# Altium PCB Analog_Daughter_6U_MAX11331.PcbDoc (part 2 of 6)
Units mil, origin at the board's own origin, x right, y up, seen from the top; angles counter-clockwise.
Board outline 6811.02 x 3937.01 mil, 6 copper layers (Top Layer, GND, Signal 1, Signal 2, VCC, Bottom Layer), stack 32.112 mil thick; 520 components, 330 nets, 1678 pads, 526 vias.
Unrouted connection lines stored in the file: 277.
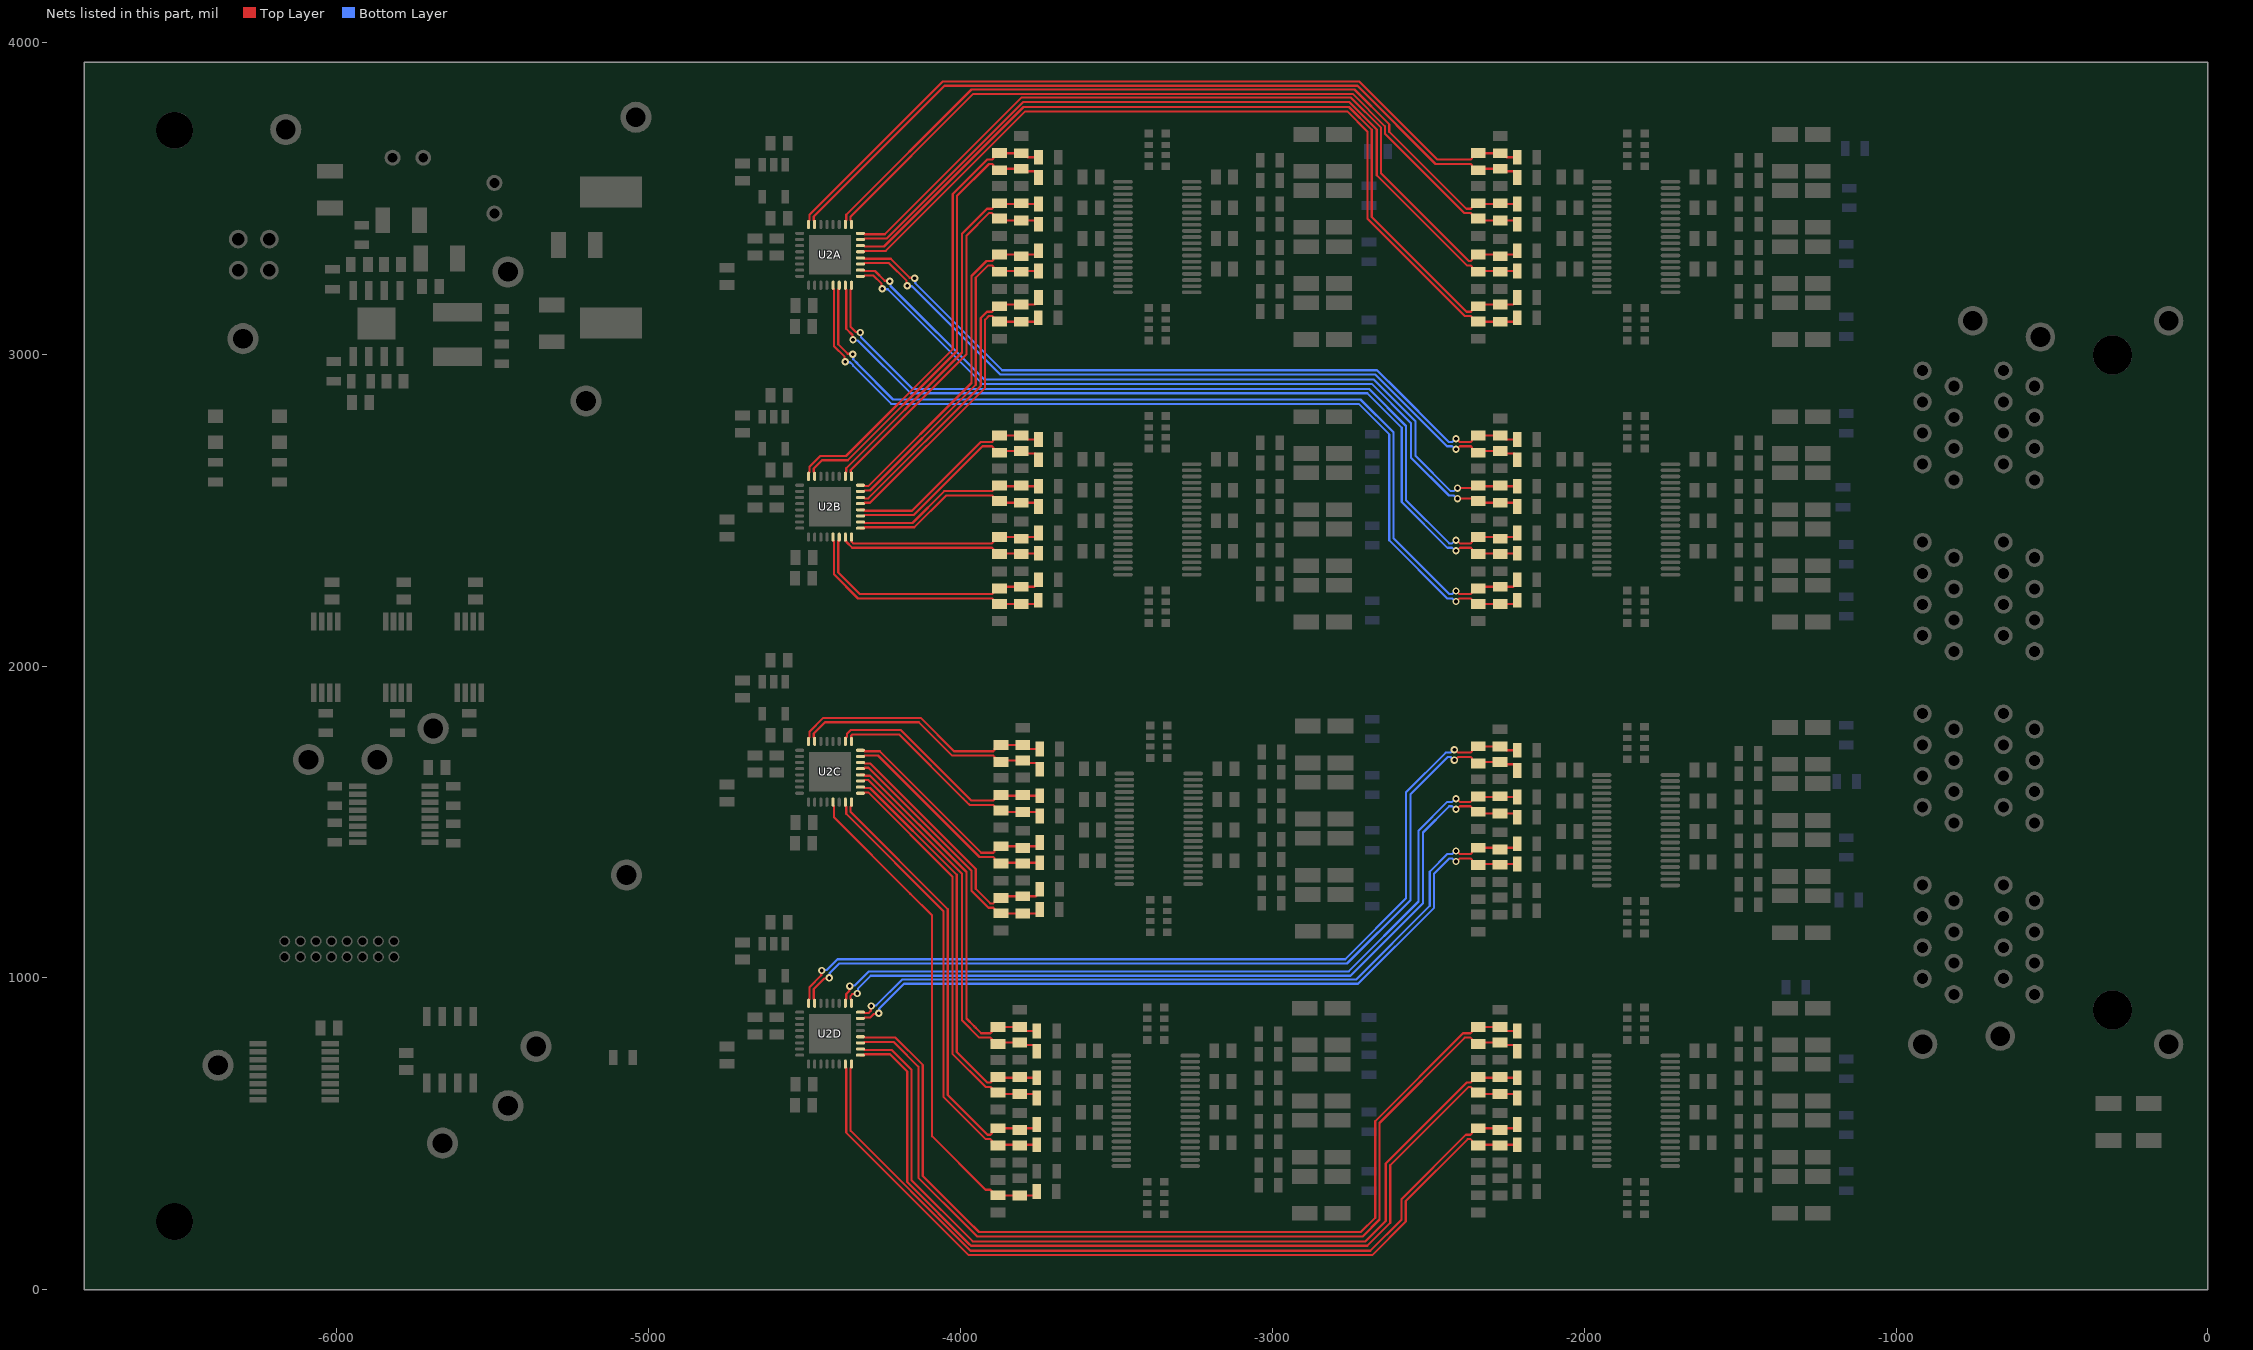
[diagram p6: the nets of this part, all layers, seen from the top]

## Components (designator, comment, footprint, x,y, rotation, side; value= is the part's Value field where it differs from the comment) (continued)
R23F "24.3k" RES_0603 -3044.41,820 r90 top (schematic designator R23)
R23G "24.3k" RES_0603 -1504.41,1720 r90 top (schematic designator R23)
R23H "24.3k" RES_0603 -1504.41,820 r90 top (schematic designator R23)
R24 "0R" RES_0603 -5051.42,745 r270 top
R25 "100R" RES_0603 -6007.57,1614.57 r0 top
R26 "100R" RES_0603 -6007.57,1434.57 r180 top
R27 "100R" RES_0603 -5627.57,1431.58 r180 top
R28 "10k" RES_0603 -6035.99,1848.86 r0 top
R29 "10k" RES_0603 -5805.99,1848.86 r0 top
R30 "10k" RES_0603 -5575.99,1848.86 r0 top
R31 "2.2M" RES_0603 -5920.24,3350.87 r180 top
R32 "200k" RES_0603 -5954.41,2913.86 r90 top
R33 "115k" RES_0603 -5471.42,3032.99 r0 top
R34 "10k" RES_0603 -6014.73,3272.13 r0 top
R35 "100k" RES_0603 -6010.79,2976.85 r0 top
R36 "330" RES_0603 -6184.65,2653.39 r0 top
R37 "100R" RES_0603 -5627.57,1614.57 r0 top
R38 "20k" RES_0603 -6389.69,2653.39 r0 top
R39A "0" RES_0603 -1160,3120 r180 bottom (schematic designator R39)
R39B "0" RES_0603 -1160,2222.99 r180 bottom (schematic designator R39)
R39C "0" RES_0603 -2690,3110 r180 bottom (schematic designator R39)
R39D "0" RES_0603 -2680,2210 r180 bottom (schematic designator R39)
R39E "0" RES_0603 -2680,1230 r0 bottom (schematic designator R39)
R39F "0" RES_0603 -2690,317.01 r0 bottom (schematic designator R39)
R39G "0" RES_0603 -1182.99,1250 r270 bottom (schematic designator R39)
R39H "0" RES_0603 -1160,317.01 r0 bottom (schematic designator R39)
R40A "0" RES_0603 -1160,3290 r0 bottom (schematic designator R40)
R40B "0" RES_0603 -1160,2390 r180 bottom (schematic designator R40)
R40C "0" RES_0603 -2690,3297.01 r0 bottom (schematic designator R40)
R40D "0" RES_0603 -2680,2387.01 r0 bottom (schematic designator R40)
R40E "0" RES_0603 -2680,1410 r0 bottom (schematic designator R40)
R40F "0" RES_0603 -2690,507.01 r0 bottom (schematic designator R40)
R40G "0" RES_0603 -1160,1387.01 r0 bottom (schematic designator R40)
R40H "0" RES_0603 -1160,497.01 r0 bottom (schematic designator R40)
R41A "0" RES_0603 -1150,3470 r0 bottom (schematic designator R41)
R41B "0" RES_0603 -1170,2572.99 r180 bottom (schematic designator R41)
R41C "0" RES_0603 -2690,3477.01 r0 bottom (schematic designator R41)
R41D "0" RES_0603 -2680,2567.01 r0 bottom (schematic designator R41)
R41E "0" RES_0603 -2680,1587.01 r0 bottom (schematic designator R41)
R41F "0" RES_0603 -2690,690 r0 bottom (schematic designator R41)
R41G "0" RES_0603 -1190,1630 r270 bottom (schematic designator R41)
R41H "0" RES_0603 -1160,677.01 r0 bottom (schematic designator R41)
R42A "0" RES_0603 -1162.99,3660 r270 bottom (schematic designator R42)
R42B "0" RES_0603 -1160,2747.01 r0 bottom (schematic designator R42)
R42C "0" RES_0603 -2692.99,3650 r270 bottom (schematic designator R42)
R42D "0" RES_0603 -2680,2742.99 r180 bottom (schematic designator R42)
R42E "0" RES_0603 -2680,1767.01 r0 bottom (schematic designator R42)
R42F "0" RES_0603 -2690,872.99 r180 bottom (schematic designator R42)
R42G "0" RES_0603 -1160,1747.01 r0 bottom (schematic designator R42)
R42H "0" RES_0603 -1352.99,970 r270 bottom (schematic designator R42)
REF1A "VREF 3.3V/1.65V" SOT-23-5 -4599.34,3556.34 r90 top (schematic designator REF1)
REF1B "VREF 3.3V/1.65V" SOT-23-5 -4599.34,2748.54 r90 top (schematic designator REF1)
REF1C "VREF 3.3V/1.65V" SOT-23-5 -4599.34,1898.54 r90 top (schematic designator REF1)
REF1D "VREF 3.3V/1.65V" SOT-23-5 -4599.34,1058.54 r90 top (schematic designator REF1)
Serial "Serialnumber 6,3 x 6.3mm" SERIAL_6.3X6.3MM -813,255.91 r180 top
TP1 "VIN" TP_1.6MM -6164.34,3720.94 r0 top
TP2 "VCC" TP_1.6MM -5451.74,3264.25 r0 top
TP3 "DGND" TP_1.6MM -5201.42,2850 r0 top
TP4 "GND" TP_1.6MM -6301.42,3050 r0 top
TP5 "AGND" TP_1.6MM -5041.42,3760 r0 top
TP6 "SCLK" TP_1.6MM -6091.42,1700 r0 top
TP7 "SCLKRTN" TP_1.6MM -5361.42,780 r0 top
TP8 "MISO1" TP_1.6MM -5071.42,1330 r90 top
TP9 "MISO2" TP_1.6MM -6381.42,720 r90 top
TP10 "MISO3" TP_1.6MM -5451.42,590 r0 top
TP11 "MOSI" TP_1.6MM -5871.42,1700 r0 top
TP12 "MISO4" TP_1.6MM -5661.42,470 r0 top
TP13 "CS" TP_1.6MM -5691.42,1800 r90 top
U1A "THS4524" "THS4524 FOOTPRINT" -1833.71,3375.83 r180 top (schematic designator U1)
U1B "THS4524" "THS4524 FOOTPRINT" -1833.71,2470.31 r180 top (schematic designator U1)
U1C "THS4524" "THS4524 FOOTPRINT" -3369.14,3375.83 r180 top (schematic designator U1)
U1D "THS4524" "THS4524 FOOTPRINT" -3369.14,2470.31 r180 top (schematic designator U1)
U1E "THS4524" "THS4524 FOOTPRINT" -3364.71,1478.25 r180 top (schematic designator U1)
U1F "THS4524" "THS4524 FOOTPRINT" -3374.18,573.78 r180 top (schematic designator U1)
U1G "THS4524" "THS4524 FOOTPRINT" -1834.18,1473.78 r180 top (schematic designator U1)
U1H "THS4524" "THS4524 FOOTPRINT" -1834.18,573.78 r180 top (schematic designator U1)
U2A "MAX11331" "32-TQFN-EP (5X5)" -4418.86,3318.9 r180 top (schematic designator U2)
U2B "MAX11331" "32-TQFN-EP (5X5)" -4418.86,2511.1 r180 top (schematic designator U2)
U2C "MAX11331" "32-TQFN-EP (5X5)" -4418.86,1661.1 r180 top (schematic designator U2)
U2D "MAX11331" "32-TQFN-EP (5X5)" -4418.86,821.1 r180 top (schematic designator U2)
U3 "Quad LVDS reciever" TSOP65P640X120-16N -5817.57,1524.57 r0 top
U4 "Clock buffer" TSOP65P640X120-8N -6035.99,2028.86 r90 top
U5 "Clock buffer" TSOP65P640X120-8N -5805.99,2028.86 r90 top
U6 "Quad LVDS driver" TSOP65P640X120-16N -6137.57,699.57 r0 top
U7 "Clock buffer" TSOP65P640X120-8N -5575.99,2028.86 r90 top
U8 "Single LVDS driver" SOIC127P600X170_HS-9N_NO_THP -5637.57,769.57 r90 top
U9 "buck converter" SOIC127P600X170_HS-9N -5873,3098.9 r270 top
X1 "IPL1-102-01-L-D-K" IPL1-102-01-L-D-K -6266.7,3319.37 r180 top
X2 "2x8 Pin" EHF-108-01-F-D -5992.57,1092.57 r0 top

## Footprints (in the part's own frame and the unit in brackets; to place one, negate y for a bottom-side part, rotate by r counter-clockwise, add the part's x,y. Pads: shape width x height; smd on the part's side, far side on the other; paste and mask are expansions set on the pad)
"32-TQFN-EP (5X5)" [mm] "QFN, 32-Leads with exposed die pad, Body 5.1x5.1mm (max), Pitch 0.50mm, IPC Medium Density"
  oval 0.75x0.25 smd mask+0.075: 1(-2.475,1.75) 2(-2.475,1.25) 3(-2.475,0.75) 4(-2.475,0.25) 5(-2.475,-0.25) 6(-2.475,-0.75) 7(-2.475,-1.25) 8(-2.475,-1.75) 17(2.475,-1.75) 18(2.475,-1.25) 19(2.475,-0.75) 20(2.475,-0.25) 21(2.475,0.25) 22(2.475,0.75) 23(2.475,1.25) 24(2.475,1.75)
  oval 0.25x0.75 smd mask+0.075: 9(-1.75,-2.475) 10(-1.25,-2.475) 11(-0.75,-2.475) 12(-0.25,-2.475) 13(0.25,-2.475) 14(0.75,-2.475) 15(1.25,-2.475) 16(1.75,-2.475) 25(1.75,2.475) 26(1.25,2.475) 27(0.75,2.475) 28(0.25,2.475) 29(-0.25,2.475) 30(-0.75,2.475) 31(-1.25,2.475) 32(-1.75,2.475)
  rect 3.4x3.2 smd paste-1.7: 33(0,0)
  Top Layer region: -0.203,-1.6 -0.203,-1.702 0.711,-1.702 0.711,-1.6
  Top Layer region: -1.8,1.6 -1.6,1.8 1.8,1.8 1.8,1.6
  Top Layer region: -1.6,1.8 -1.8,1.6 -1.8,-1.8 -1.6,-1.8
  Top Layer region: 0.584,-1.6 0.784,-1.8 1.8,-1.8 1.8,-1.6
  Top Layer region: 1.6,-1.8 1.8,-1.6 1.8,1.8 1.6,1.8
  Top Layer region: -0.076,-1.6 -0.276,-1.8 -1.673,-1.8 -1.673,-1.6
  silkscreen extent -2.6,-2.6 2.6,2.6, body extent -2.54,-2.54 2.55,2.55, height 0.8
CAC-80P320X160-8N [mm] "Chip Array, ConvexS, 8-Leads, Pitch 0,80mm,  Body 3,20x1,60mm,  IPC Medium Density"
  rect 0.7x0.64 smd: 1(-0.7,1.325) 4(-0.7,-1.325) 5(0.7,-1.325) 8(0.7,1.325)
  rect 0.7x0.5 smd: 2(-0.7,0.4) 3(-0.7,-0.4) 6(0.7,-0.4) 7(0.7,0.4)
  silkscreen extent -1.57,1.7 -1.32,1.96, body extent -0.8,-1.65 0.8,1.65, height 0.45
CAP_0603 [mm] "CAP CER 0603"
  rect 1.2x0.8 smd: 1(0,0) 2(0,-1.4)
  silkscreen extent -0.76,-1.96 0.76,0.56, body extent -0.4,-1.46 0.4,0.14, height 0.4
EHF-108-01-F-D [mm]
  round 0.9 hole 0.65: 1(-4.445,-0.635) 2(-4.445,0.635) 3(-3.175,-0.635) 4(-3.175,0.635) 5(-1.905,-0.635) 6(-1.905,0.635) 7(-0.635,-0.635) 8(-0.635,0.635) 9(0.635,-0.635) 10(0.635,0.635) 11(1.905,-0.635) 12(1.905,0.635) 13(3.175,-0.635) 14(3.175,0.635) 15(4.445,-0.635) 16(4.445,0.635)
  silkscreen extent -12.19,-3.3 12.19,3.3, body extent -12.32,-3.34 12.32,3.34, height 11.3
ESD_OVERLAY_MEDIUM [mil]
  silkscreen extent -127,-109 125,110
ID_PROJECTREV [mil] "project name + revision number"
"INDUCTOR 5030" [mm]
  rect 1.5x4 smd: 1(-1.8,0) 2(1.8,0)
  silkscreen extent -2.54,-2.41 2.54,2.41, body extent -2.44,-2.44 2.44,2.44, height 3
IPL1-102-01-L-D-K [mil]
  round 60 hole 40 mask+3: 1(-50,50) 2(50,50) 3(-50,-50) 4(50,-50)
  silkscreen extent -150,-185 150,165, body extent -130,-165 130,145, height 320
LED_0805_GREEN [mm] "Chip LED, 2-Leads, Body 2.0x1.3mm, IPC Medium Density"
  rect 1.1x1.2 smd: 1(-1.05,0) 2(1.05,0)
  silkscreen extent -1.91,-0.89 2.18,1.3, body extent -1,-0.63 1,0.62, height 0.68
"LOGO G.S.OHM UNIVERSITY" [mil] "9.5 x 12.6 mm"
  silkscreen extent -146,-138 151,158
"LOGO TUM" [mil] "9.5 x 12.6 mm"
  silkscreen extent -231,-133 228,110
"LOGO USACH" [mil] "9.5 x 12.6 mm"
  silkscreen extent -178,-234 200,260
"MOUNTING HOLE" [mm] "3mm"
  round 3 hole 3 unplated mask+0: 1(0,0)
NETTIE [mil]
  rect 100x100 smd mask+4: 1(-50,0) 2(50,0)
RES_0603 [mm] "RES 0603"
  rect 1.2x0.7 smd: 1(0,0) 2(0,-1.6)
  silkscreen extent -0.76,-2.11 0.76,0.51, body extent -0.45,-1.59 0.45,0.01, height 0.5
RES_1206 [mm] "RES 1206"
  rect 2.1x1.2 smd: 1(0,0) 2(0,3)
  silkscreen extent -1.22,-0.76 1.22,3.76, body extent -0.8,-0.08 0.8,3.12, height 0.6
"RJ45 - 4X2" [mm] "P/N: 1-1734715-2"
  round 1.5 hole 0.9: A1(-25.4,0.902) A2(-24.13,3.442) A3(-22.86,0.902) A4(-21.59,3.442) A5(-20.32,0.902) A6(-19.05,3.442) A7(-17.78,0.902) A8(-16.51,3.442) B1(-11.43,0.902) B2(-10.16,3.442) B3(-8.89,0.902) B4(-7.62,3.442) B5(-6.35,0.902) B6(-5.08,3.442) B7(-3.81,0.902) B8(-2.54,3.442) C1(2.54,0.902) C2(3.81,3.442) C3(5.08,0.902) C4(6.35,3.442) C5(7.62,0.902) C6(8.89,3.442) C7(10.16,0.902) C8(11.43,3.442) D1(16.51,0.902) D2(17.78,3.442) D3(19.05,0.902) D4(20.32,3.442) D5(21.59,0.902) D6(22.86,3.442) D7(24.13,0.902) D8(25.4,3.442) E1(25.4,10.02) E2(24.13,7.48) E3(22.86,10.02) E4(21.59,7.48) E5(20.32,10.02) E6(19.05,7.48) E7(17.78,10.02) E8(16.51,7.48) F1(11.43,10.02) F2(10.16,7.48) F3(8.89,10.02) F4(7.62,7.48) F5(6.35,10.02) F6(5.08,7.48) F7(3.81,10.02) F8(2.54,7.48) G1(-2.54,10.02) G2(-3.81,7.48) G3(-5.08,10.02) G4(-6.35,7.48) G5(-7.62,10.02) G6(-8.89,7.48) G7(-10.16,10.02) G8(-11.43,7.48) H1(-16.51,10.02) H2(-17.78,7.48) H3(-19.05,10.02) H4(-20.32,7.48) H5(-21.59,10.02) H6(-22.86,7.48) H7(-24.13,10.02) H8(-25.4,7.48)
  round 2.4 hole 1.6: S1(-29.464,10.02) S2(-28.804,3.696) S3(-29.464,-10.02) S4(29.464,-10.02) S5(28.143,0.419) S6(29.464,5.931)
  round 3.2 hole 3.2 unplated: ""(-26.67,-5.448) ""(26.67,-5.448)
  silkscreen extent -29.59,-8.51 29.68,12.35, body extent -30.27,-16.25 30.38,12.35, height 27.35
SERIAL_6.3X6.3MM [mil]
  silkscreen extent -130,-130 130,130
SOIC127P600X170_HS-9N [mm] "SOIC, 8-Leads, Body 4,90x3,90mm, Pitch 1,27mm, Thermal Pad 3,10x2,60mm, IPC Medium Density"
  rect 1.55x0.6 smd: 1(-2.7,1.905) 2(-2.7,0.635) 3(-2.7,-0.635) 4(-2.7,-1.905) 5(2.7,-1.905) 6(2.7,-0.635) 7(2.7,0.635) 8(2.7,1.905)
  rect 2.6x3.1 smd: 9(0,0)
  silkscreen extent -2.82,-2.5 1.6,2.88, body extent -3,-2.45 3,2.45, height 1.75
SOIC127P600X170_HS-9N_NO_THP [mm] "SOIC, 8-Leads, Body 4,90x3,90mm, Pitch 1,27mm, Thermal Pad 3,10x2,60mm, IPC Medium Density"
  rect 1.55x0.6 smd: 1(-2.7,1.905) 2(-2.7,0.635) 3(-2.7,-0.635) 4(-2.7,-1.905) 5(2.7,-1.905) 6(2.7,-0.635) 7(2.7,0.635) 8(2.7,1.905)
  silkscreen extent -2.82,-2.5 1.6,2.88, body extent -2.99,-2.46 3.01,2.44, height 1.75
SOT-23-5 [mm] "SOT353, 5-Leads, Body 2x1.3mm, Pitch 0.65mm, Lead Span 2.1mm, IPC Medium Density"
  rect 1.1x0.6 smd: 1(1.3,-0.95) 2(1.3,0) 3(1.3,0.95) 4(-1.3,0.95) 5(-1.3,-0.95)
  silkscreen extent -0.55,-1.83 1.42,1.32, body extent -1.25,-1.56 1.25,1.44, height 1.06
"THS4524 FOOTPRINT" [mm] "THS4524 4Ch Dif Amp, TSSOP"
  oval 1.6x0.3 smd mask+0.05: 1(-2.8,4.5) 2(-2.8,4) 3(-2.8,3.5) 4(-2.8,3) 5(-2.8,2.5) 6(-2.8,2) 7(-2.8,1.5) 8(-2.8,1) 9(-2.8,0.5) 10(-2.8,0) 11(-2.8,-0.5) 12(-2.8,-1) 13(-2.8,-1.5) 14(-2.8,-2) 15(-2.8,-2.5) 16(-2.8,-3) 17(-2.8,-3.5) 18(-2.8,-4) 19(-2.8,-4.5) 20(2.8,-4.5) 21(2.8,-4) 22(2.8,-3.5) 23(2.8,-3) 24(2.8,-2.5) 25(2.8,-2) 26(2.8,-1.5) 27(2.8,-1) 28(2.8,-0.5) 29(2.8,0) 30(2.8,0.5) 31(2.8,1) 32(2.8,1.5) 33(2.8,2) 34(2.8,2.5) 35(2.8,3) 36(2.8,3.5) 37(2.8,4) 38(2.8,4.5)
  silkscreen extent -2.93,-4.9 1.8,5.32, body extent -3.2,-4.85 3.2,4.85, height 1.2
TP_1.6MM [mm]
  round 2.54 hole 1.6: 1(0,0)
  body extent -1.59,-1.66 1.59,1.51, height 5.74
TSOP65P640X120-8N [mm] "TSOP, 8-Leads, Body 3,00x4,40mm, Pitch 0,65mm, IPC Medium Density"
  rect 1.5x0.45 smd: 1(-2.9,0.975) 2(-2.9,0.325) 3(-2.9,-0.325) 4(-2.9,-0.975) 5(2.9,-0.975) 6(2.9,-0.325) 7(2.9,0.325) 8(2.9,0.975)
  silkscreen extent -3.02,-1.55 1.85,1.87, body extent -3.2,-1.5 3.2,1.5, height 1.2
TSOP65P640X120-16N [mm] "TSOP, 16-Leads, Body 5,00x4,40mm, Pitch 0,65mm, IPC Medium Density"
  rect 1.4x0.45 smd: 1(-2.95,2.275) 2(-2.95,1.625) 3(-2.95,0.975) 4(-2.95,0.325) 5(-2.95,-0.325) 6(-2.95,-0.975) 7(-2.95,-1.625) 8(-2.95,-2.275) 9(2.95,-2.275) 10(2.95,-1.625) 11(2.95,-0.975) 12(2.95,-0.325) 13(2.95,0.325) 14(2.95,0.975) 15(2.95,1.625) 16(2.95,2.275)
  silkscreen extent -3.07,-2.55 1.85,3.17, body extent -3.2,-2.5 3.2,2.5, height 1.1
WCAP-ATG8_6.3X11 [mm] "Aluminum Electrolytic Capacitors, 6.3x11mm"
  round 1.3 hole 0.8: 1(-1.25,0) 2(1.25,0)
  silkscreen extent -3.4,-3.4 3.4,3.4, body extent -3.14,-3.15 3.15,3.15, height 11.31

## Part data
BS1 BS2 BS3: library part Bead, "6A", Manufacturer Part-Number=RMCF1206ZT0R00, Supplier Part Number 1=RMCF1206ZT0R00CT-ND, MF="Stackpole Electronics", Supplier 1=Digikey
C1: library part Cap_1206, "Capacitor", MPN=885342208017, Supplier Part Number 1=732-12097-1-ND, Voltage=1000V, MF="Würth Elektronik", Supplier 1=Digikey
C2A C2B C2C C2D C2E C2F C2G C2H C5A C5B C5C C5D C5E C5F C5G C5H C6A C6B C6C C6D C6E C6F C6G C6H C9A C9B C9C C9D C9E C9F C9G C9H C10A C10B C10C C10D C10E C10F C10G C10H C13A C13B C13C C13D C13E C13F C13G C13H C18A C18B C18C C18D C18E C18F C18G C18H C21A C21B C21C C21D C21E C21F C21G C21H: library part Cap_0603, "Capacitor", MPN=0603N201J500CT, Supplier Part Number 1=1292-1499-1-ND, LatestRevisionDate=17-Jul-2002, LatestRevisionNote="Re-released for DXP Platform.", MF=Walsin, PackageReference=RAD-0.3, Published=8-Jun-2000, Publisher="Altium Limited", Rule=PcbType=ProtelPcb, Supplier 1=Digikey
C3A C3B C3C C3D C3E C3F C3G C3H C7A C7B C7C C7D C7E C7F C7G C7H C11A C11B C11C C11D C11E C11F C11G C11H C19A C19B C19C C19D C19E C19F C19G C19H: library part Cap_0603, "Capacitor", MPN=885012006023, Supplier Part Number 1=732-7766-1-ND, LatestRevisionDate=17-Jul-2002, LatestRevisionNote="Re-released for DXP Platform.", MF="Würth Elektronik", PackageReference=RAD-0.3, Published=8-Jun-2000, Publisher="Altium Limited", Rule=PcbType=ProtelPcb, Supplier 1=Digikey
C4A C4B C4C C4D C4E C4F C4G C4H C8A C8B C8C C8D C8E C8F C8G C8H C12A C12B C12C C12D C12E C12F C12G C12H C20A C20B C20C C20D C20E C20F C20G C20H: library part Cap_1206, "Capacitor", MPN=CL31B105KOFNNNE, Supplier Part Number 1=1276-1783-1-ND, Voltage=16V, MF=Samsung, Supplier 1=Digikey
C14A C14B C14C C14D C14E C14F C14G C14H C15A C15B C15C C15D C15E C15F C15G C15H C16A C16B C16C C16D C16E C16F C16G C16H C17A C17B C17C C17D C17E C17F C17G C17H C22A C22B C22C C22D C22E C22F C22G C22H C23A C23B C23C C23D C23E C23F C23G C23H C24A C24B C24C C24D C24E C24F C24G C24H C25A C25B C25C C25D C25E C25F C25G C25H C27A C27B C27C C27D C28A C28B C28C C28D C30A C30B C30C C30D C34A C34B C34C C34D C35 C36 C37 C38 C39 C40 C45 C48: library part Cap_0603, "Capacitor", MPN=CL10B104KA8NNNC, Supplier Part Number 1=1276-1006-1-ND, LatestRevisionDate=17-Jul-2002, LatestRevisionNote="Re-released for DXP Platform.", MF=Samsung, PackageReference=RAD-0.3, Published=8-Jun-2000, Publisher="Altium Limited", Rule=PcbType=ProtelPcb, Supplier 1=Digikey
C26A C26B C26C C26D C33A C33B C33C C33D: library part Cap_0603, "Capacitor Ceramic", MPN=JMK107ABJ106MA-T, Supplier Part Number 1=587-5869-1-ND, Voltage=6.3V, MF="Tayo Yuden", Supplier 1=Digikey
C31A C31B C31C C31D C32A C32B C32C C32D: library part Cap_0603, "Capacitor Ceramic", MPN=885012206006, Supplier Part Number 1=732-7925-1-ND, Voltage=10V, MF="Würth Elektronik", Supplier 1=Digikey
C41: library part Cap_0603, "Capacitor Ceramic", MPN=C0603C222K5RACTU, Supplier Part Number 1=399-1085-1-ND, Voltage=50V, MF=KEMET, Supplier 1=Digikey
C42: library part Cap_0603, "Capacitor Ceramic", MPN=GRM1885C1H122JA01D, Supplier Part Number 1=490-1453-1-ND, Voltage=50V, MF=Murata, Supplier 1=Digikey
C43 C44: library part 860010573006, "WCAP-ATG8 THT Aluminum Electrolytic Capacitors, D6.3mm x L11mm, 68uF, +/-20%, 35VDC", Capacitance Tolerance=+/-20%, Leakage Current=23.8uA, Operating Temperature="-40 to +85degC", Rated Voltage=35V, Ripple Current max.=198mA, Supplier Part Number 1=732-8736-1-ND, ComponentLink1Description=Manufacturer, ComponentLink1URL=http://www.we-online.de, ComponentLink2Description=Datasheet, ComponentLink2URL=https://katalog.we-online.com/pbs/datasheet/860010573006.pdf, Diameter=6.3mm, Dissipation Factor=12%, Endurance=2000h, Length=11mm, Mounting Technology=THT, Packaging="Ammo Pack", Part Number=860010573006, Published Date="August 2019", Publisher="Wurth Elektronik", Supplier 1=Digikey, Technical Reference=ATBD110680M035DSPA4B000
C46 C47: library part Cap_1206, "Capacitor", MPN=CL31A106MBHNNNE, Supplier Part Number 1=1276-6736-1-ND, Voltage="35 V", MF=Samsung, Supplier 1=Digikey
C49: library part Cap_0603, "Capacitor Ceramic", MPN=CL10A105KB8NNNC, Supplier Part Number 1=1276-1860-1-ND, Voltage="50 V", MF=Samsung, Supplier 1=Digikey
C50: library part Cap_0603, "Capacitor Ceramic", MPN=GRM1885C1H910JA01D, Supplier Part Number 1=490-1426-1-ND, Voltage=50V, MF=Murata, Supplier 1=Digikey
D1 D2: library part LED2, "LED Blue", MPN=150080BS75000, PackageDocument=Feb-2002, Supplier Part Number 1=732-4982-1-ND, LatestRevisionDate=17-Jul-2002, LatestRevisionNote="Re-released for DXP Platform.", MF="Würth Elektronik", PackageReference=3.2X1.6X1.1, Published=8-Jun-2000, Publisher="Altium Limited", Supplier 1=Digikey
J1: Manufacturer Part-Number=1-1734715-2, Supplier Part Number 1=A118195-ND, Digikey Part-Number=A118195-ND, MF="TE Connectivity", MPN=1-1734715-2, Supplier 1=Digikey
L1: library part NR5030T330M, "SMT power Inductor, 33µH, 225m DRC", MPN=NRS5030T330MMGJ, Rated Current="0.8 A", Supplier Part Number 1=587-3458-1-ND, DCR=225mOhm, MF="Taiyo Yuden", Supplier 1=Digikey
PCB_Logo1: library part LOGO_ESD_Susceptible, "ESD Susceptible Symbol", Created=2018_11_25_AGeiger
ProjectName: "Project Name and Revision Number", Created=2018_11_23_AGeiger
R1: library part Res1206, "Resistor", MPN=RC1206FR-071ML, Supplier Part Number 1=311-1.00MFRCT-ND, MF=Yageo, Supplier 1=Digikey
R2A R2B R2C R2D R2E R2F R2G R2H R13A R13B R13C R13D R13E R13F R13G R13H: library part "ResArray 1206", "Chip Resistor Array 0606, 4xR", MPN=ACASA1002S1002P100, Supplier Part Number 1=749-1023-1-ND, Created=Kreppel_0420, MF=Vishay, Supplier 1=Digikey
R3A R3B R3C R3D R3E R3F R3G R3H R6A R6B R6C R6D R6E R6F R6G R6H R8A R8B R8C R8D R8E R8F R8G R8H R11A R11B R11C R11D R11E R11F R11G R11H R14A R14B R14C R14D R14E R14F R14G R14H R17A R17B R17C R17D R17E R17F R17G R17H R19A R19B R19C R19D R19E R19F R19G R19H R22A R22B R22C R22D R22E R22F R22G R22H: library part Res0603, MPN=ERA-3AEB48R7V, Supplier Part Number 1=P48.7DBCT-ND, LatestRevisionDate=17-Jul-2002, LatestRevisionNote="Re-released for DXP Platform.", MF=Panasonic, PackageDescription="Axial Device, Thru-Hole; 2 Leads; 0.3 in Pin Spacing", PackageReference=AXIAL-0.3, Published=8-Jun-2000, Publisher="Altium Limited", Supplier 1=Digikey
R4A R4B R4C R4D R4E R4F R4G R4H R7A R7B R7C R7D R7E R7F R7G R7H R9A R9B R9C R9D R9E R9F R9G R9H R12A R12B R12C R12D R12E R12F R12G R12H R15A R15B R15C R15D R15E R15F R15G R15H R18A R18B R18C R18D R18E R18F R18G R18H R20A R20B R20C R20D R20E R20F R20G R20H R23A R23B R23C R23D R23E R23F R23G R23H: library part Res0603, MPN=ERJ-PB3B2432V, Supplier Part Number 1=P20128CT-ND, LatestRevisionDate=17-Jul-2002, LatestRevisionNote="Re-released for DXP Platform.", MF=Panasonic, PackageDescription="Axial Device, Thru-Hole; 2 Leads; 0.3 in Pin Spacing", PackageReference=AXIAL-0.3, Published=8-Jun-2000, Publisher="Altium Limited", Supplier 1=Digikey
R5A R5B R5C R5D R5E R5F R5G R5H R10A R10B R10C R10D R10E R10F R10G R10H R16A R16B R16C R16D R16E R16F R16G R16H R21A R21B R21C R21D R21E R21F R21G R21H: library part "Res Semi", "Limiter Resistor", MPN=RC1206FR-07160RL, Supplier Part Number 1=311-160FRCT-ND, LatestRevisionDate=17-Jul-2002, LatestRevisionNote="Re-released for DXP Platform.", MF=Yageo, PackageDescription="Axial Device, Thru-Hole; 2 Leads; 0.5 in Pin Spacing", PackageReference=AXIAL-0.5, Published=8-Jun-2000, Publisher="Altium Limited", Supplier 1=Digikey
R24: library part Res0603, Supplier Part Number 1=311-0.0GRCT-ND, LatestRevisionDate=17-Jul-2002, LatestRevisionNote="Re-released for DXP Platform.", PackageDescription="Axial Device, Thru-Hole; 2 Leads; 0.3 in Pin Spacing", PackageReference=AXIAL-0.3, Published=8-Jun-2000, Publisher="Altium Limited", Supplier 1=Digikey
R25 R26 R27 R37: library part Res0603, MPN=RC0603FR-07100RL, Supplier Part Number 1=311-100HRCT-ND, LatestRevisionDate=17-Jul-2002, LatestRevisionNote="Re-released for DXP Platform.", MF=Yageo, PackageDescription="Axial Device, Thru-Hole; 2 Leads; 0.3 in Pin Spacing", PackageReference=AXIAL-0.3, Published=8-Jun-2000, Publisher="Altium Limited", Supplier 1=Digikey
R28 R29 R30 R34: library part Res0603, MPN=RC0603FR-0710KL, Supplier Part Number 1=311-10.0KHRCT-ND, LatestRevisionDate=17-Jul-2002, LatestRevisionNote="Re-released for DXP Platform.", MF=Yageo, PackageDescription="Axial Device, Thru-Hole; 2 Leads; 0.3 in Pin Spacing", PackageReference=AXIAL-0.3, Published=8-Jun-2000, Publisher="Altium Limited", Supplier 1=Digikey
  R29 R30: Digikey Part-Number=311-10.0KHRCT-ND
R31: library part Res0603, MPN=RK73H1JTTD2204F, Supplier Part Number 1=2019-RK73H1JTTD2204FCT-ND, LatestRevisionDate=17-Jul-2002, LatestRevisionNote="Re-released for DXP Platform.", MF="KOA Speer", PackageDescription="Axial Device, Thru-Hole; 2 Leads; 0.3 in Pin Spacing", PackageReference=AXIAL-0.3, Published=8-Jun-2000, Publisher="Altium Limited", Supplier 1=Digikey
R32: library part Res0603, MPN=ERJ-3EKF2003V, Supplier Part Number 1=P200KHCT-ND, LatestRevisionDate=17-Jul-2002, LatestRevisionNote="Re-released for DXP Platform.", MF=Panasonic, PackageDescription="Axial Device, Thru-Hole; 2 Leads; 0.3 in Pin Spacing", PackageReference=AXIAL-0.3, Published=8-Jun-2000, Publisher="Altium Limited", Supplier 1=Digikey
R33: library part Res0603, MPN=RK73H1JTTD1153F, Supplier Part Number 1=2019-RK73H1JTTD1153FCT-ND, LatestRevisionDate=17-Jul-2002, LatestRevisionNote="Re-released for DXP Platform.", MF="KOA Speer", PackageDescription="Axial Device, Thru-Hole; 2 Leads; 0.3 in Pin Spacing", PackageReference=AXIAL-0.3, Published=8-Jun-2000, Publisher="Altium Limited", Supplier 1=Digikey
R35: library part Res0603, MPN=RR0816P-104-D, Supplier Part Number 1=RR08P100KDCT-ND, LatestRevisionDate=17-Jul-2002, LatestRevisionNote="Re-released for DXP Platform.", MF=Susumu, PackageDescription="Axial Device, Thru-Hole; 2 Leads; 0.3 in Pin Spacing", PackageReference=AXIAL-0.3, Published=8-Jun-2000, Publisher="Altium Limited", Supplier 1=Digikey
R36 R38: library part Res0603, MPN=RC0603FR-07330RL, Supplier Part Number 1=311-330HRCT-ND, LatestRevisionDate=17-Jul-2002, LatestRevisionNote="Re-released for DXP Platform.", MF=Yageo, PackageDescription="Axial Device, Thru-Hole; 2 Leads; 0.3 in Pin Spacing", PackageReference=AXIAL-0.3, Published=8-Jun-2000, Publisher="Altium Limited", Supplier 1=Digikey
R39A R39B R39C R39D R39E R39F R39G R39H R40A R40B R40C R40D R40E R40F R40G R40H R41A R41B R41C R41D R41E R41F R41G R41H R42A R42B R42C R42D R42E R42F R42G R42H: library part Res0603, Manufacturer Part-Number=CRCW06030000Z0EA, Supplier Part Number 1=541-0.0GCT-ND, LatestRevisionDate=17-Jul-2002, LatestRevisionNote="Re-released for DXP Platform.", PackageDescription="Axial Device, Thru-Hole; 2 Leads; 0.3 in Pin Spacing", PackageReference=AXIAL-0.3, Published=8-Jun-2000, Publisher="Altium Limited", Supplier 1=Digikey, Supplier 2=Mouser
REF1A REF1B REF1C REF1D: MPN=REF2033AIDDCT, Supplier Part Number 1=296-40487-1-ND, MF="Texas Instruments", Supplier 1=Digikey
TP1 TP2 TP3 TP4 TP5 TP6 TP7 TP8 TP9 TP10 TP11 TP12 TP13: library part TP, "1.6mm Test Point Keystone", MPN=5006, Supplier Part Number 1=36-5006-ND, Created=2020_04_Kreppel, MF="Keystone Electronics", Supplier 1=Digikey
U1A U1B U1C U1D U1E U1F U1G U1H: library part THS4524_1, "Quad Channel fully differential Amplilfier", Package=TSSOP-38, Supplier Part Number 1=296-24315-1-ND, Created=20190720_Kreppel, MF="Texas Instruments", MPN=THS4524, Supplier 1=Digikey
U2A U2B U2C U2D: "ADC 12 bits SPI", MPN=MAX11331ATJ+, Supplier Part Number 1=MAX11331ATJ+-ND, MF="Maximm Integrated", Supplier 1=Digikey
U3: library part ADN4666, "3V, LVDS, quad, CMOS Differential Line Receiver", MPN=ADN4666ARUZ, Supplier Part Number 1=ADN4666ARUZ-ND, Created=2020_05_Kreppel, MF="Analog Devices", Supplier 1=Digikey
U4 U5 U7: library part CDCV304, "1:4 200MHz LVCMOS clock buffer, general-purpose, PCI-X Compliant", MPN=CDCV304PWRG4, Supplier Part Number 1=296-35899-1-ND, Created=2020_05_Kreppel, MF="Texas Instruments", Supplier 1=Digikey